# Allegro board ZC7020-PCB.brd (continued)
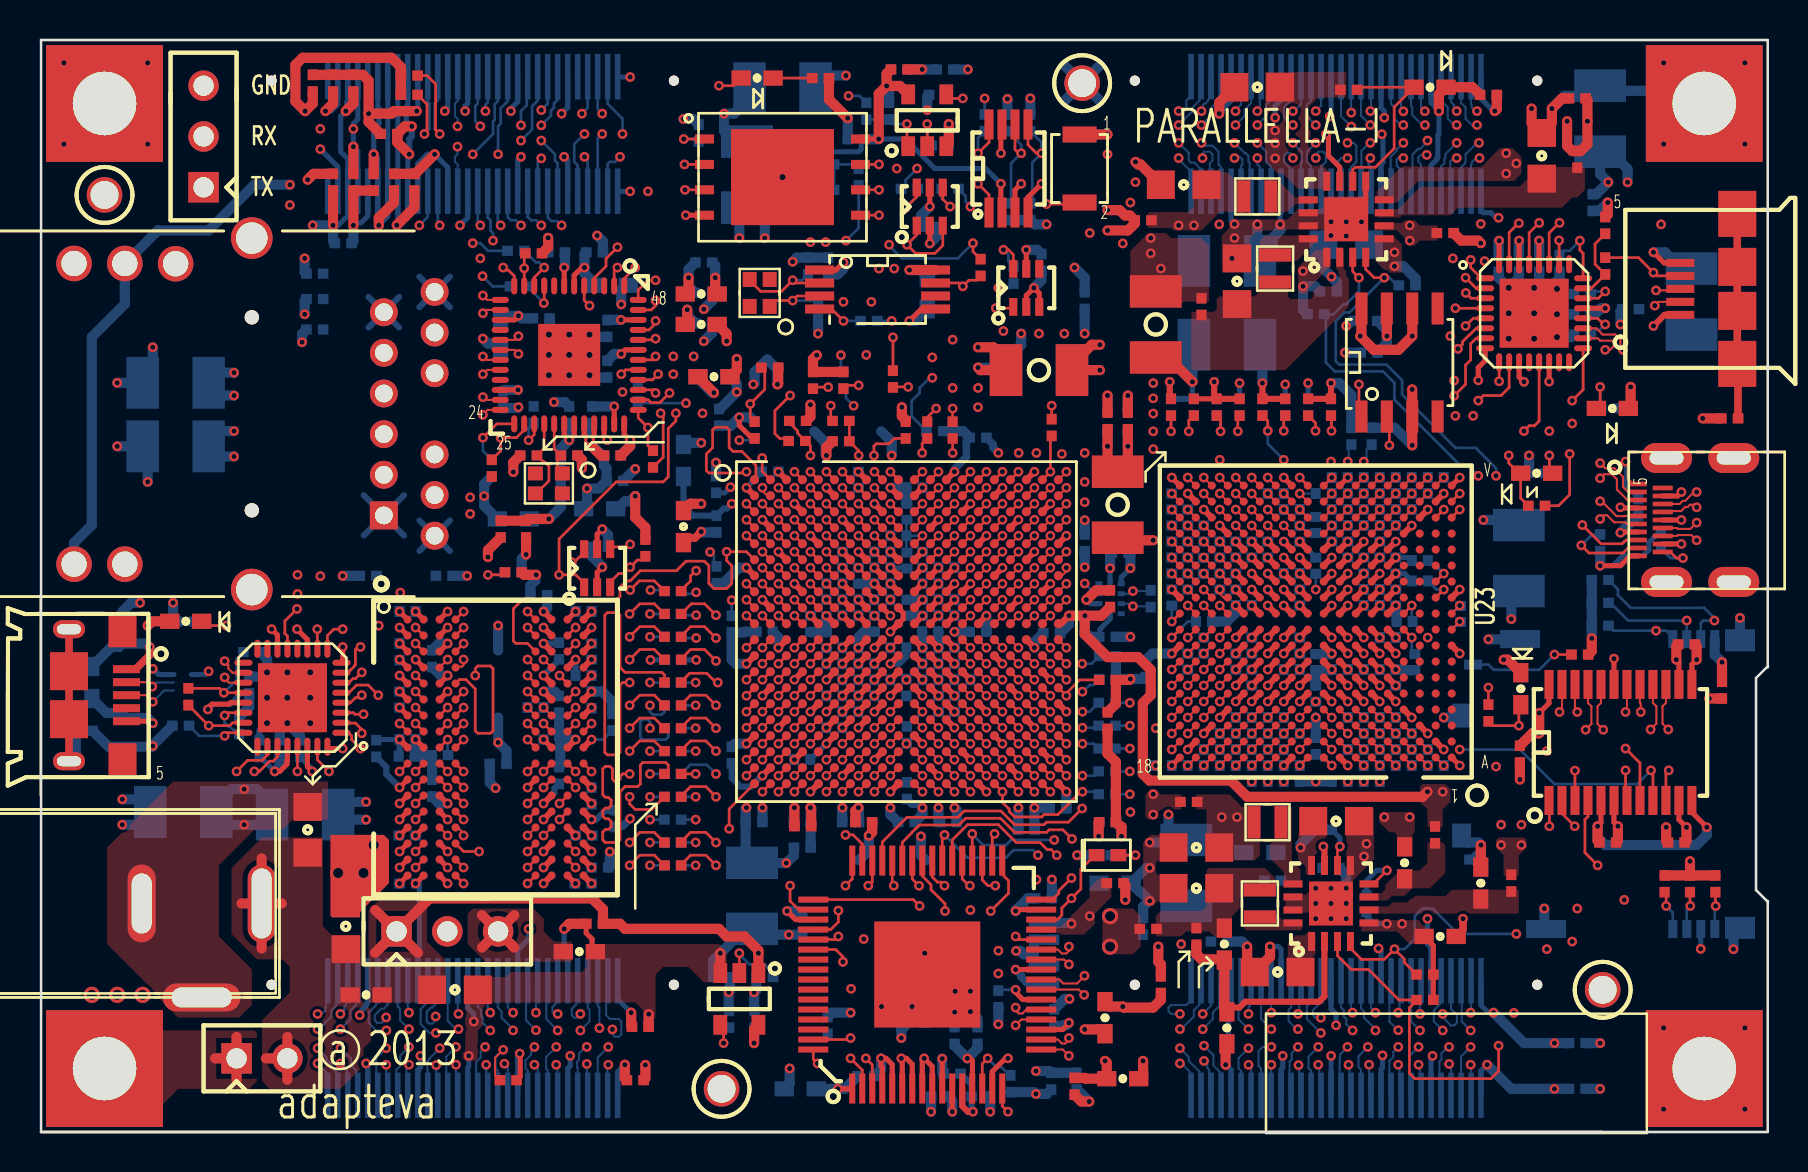
[diagram p0: board, top side]
## Routing (per net, layer and track width the routed paths; a pad name or vN(x,y) marks a point on that pad's centre or on a via; arc(x,y) is an arc through that point) (continued)
DDR3_WE_L: length 14.9
  TOP w0.133: U2.M5 v1(38.53,23.42) ; v1(33.81,14.48) 33.3,14.99 32.54,14.99 32.07,14.52 R322.1
  L3_SIG w0.108: v1(33.81,14.48) 33.81,15.42 33.95,15.56 34.47,15.56 34.6,15.69 34.6,19.29 35.13,19.82 35.5,19.82 35.73,20.05 35.73,20.38 35.97,20.62 36.3,20.62 36.54,20.86 36.54,21.98 36.78,22.22 37.1,22.22 37.34,22.46 37.34,22.78 37.57,23.02 38.19,23.02 38.53,23.36 v1(38.53,23.42)
DDR_A0: length 13.4
  TOP w0.133: U20.K4 v1(21.19,18.03)
  L3_SIG w0.108: v1(21.19,18.03) 23.68,18.03 24.07,18.42 25.49,18.42 25.71,18.21 25.71,17.32 25.83,17.2 26.22,17.2 26.34,17.32 26.34,18.3 26.47,18.42 27.75,18.42 27.85,18.33 29.51,18.33 29.9,18.72 29.9,18.97 30.03,19.1 30.46,19.1 v1(30.51,19.05)
  BOTTOM w0.133: R316.2 v1(30.51,19.05)
DDR_A1: length 25.8
  TOP w0.133: v1(29.49,22.48) 29.14,22.48 29.01,22.35 29.01,18.99 28.88,18.86 28.37,18.86 28.25,18.99 28.25,25.84 28.37,25.97 28.88,25.97 29.01,25.84 29.01,23.24 29.26,22.99 31.1,22.99 31.23,22.86 R315.2 ; U20.J9 v1(24.39,19.63)
  L3_SIG w0.108: v1(29.49,22.48) 29.14,22.48 29.09,22.43 27.32,22.43 27.19,22.3 27.19,21.84 26.98,21.63 26.33,21.63 25.96,21.26 25.96,20.18 25.81,20.02 24.51,20.02 24.39,19.9 v1(24.39,19.63)
DDR_A2: length 12.3
  TOP w0.133: v1(29.49,19.05) 30,19.56 30.72,19.56 R314.2 ; U20.K3 v1(20.39,18.03)
  L3_SIG w0.108: v1(29.49,19.05) 29.47,19.05 29.14,18.72 23.91,18.72 23.53,18.34 21.44,18.34 21.35,18.42 20.78,18.42 v1(20.39,18.03)
DDR_A3: length 16.4
  TOP w0.133: v1(29.49,21.34) 30,21.84 30.72,21.84 R313.2 ; U20.L4 v1(21.19,17.23)
  L5_SIG w0.108: v1(21.19,17.23) 21.64,16.77 21.64,16.31 21.92,16.03 27.84,16.03 28.63,16.81 28.63,17.32 28.88,17.58 28.88,21.21 29.01,21.34 v1(29.49,21.34)
DDR_A4: length 21.2
  TOP w0.133: U20.K9 v1(24.39,18.03)
  L3_SIG w0.108: v1(30.51,17.91) 30.51,17.49 31.93,16.07 31.93,14.4 31.8,14.27 31.42,14.27 31.3,14.4 31.3,15.75 30.97,16.07 28.85,16.07 28.82,16.03 22.02,16.03 21.71,16.35 21.71,17.26 22.04,17.59 23.69,17.59 24.13,18.03 v1(24.39,18.03)
  BOTTOM w0.133: R312.2 v1(30.51,17.91)
DDR_A5: length 19.4
  TOP w0.133: v1(29.49,20.19) 30,20.7 30.72,20.7 R311.2 ; U20.L3 v1(20.39,17.23)
  L3_SIG w0.108: v1(29.49,20.19) 28.76,20.19 28.63,20.07 28.63,19.62 28.76,19.49 29.9,19.49 30.03,19.62 30.03,20.38 29.77,20.64 28.37,20.64 28.25,20.51 28.25,19.35 27.87,18.97 27.87,18.96 27.85,18.94 23.48,18.94 23.26,18.72 21.39,18.72 21.33,18.66 20.25,18.66 19.99,18.4 19.99,18.2 19.99,18.19 19.99,17.62 v1(20.39,17.23)
DDR_A6: length 15.7
  TOP w0.133: U20.K10 25.59,18.43 v1(25.19,18.03)
  L3_SIG w0.108: v1(25.19,18.03) 24.95,18.03 24.55,17.63 24.23,17.63 23.99,17.39 23.99,17.38 23.55,16.94 23.09,16.94 22.95,16.8 22.32,16.8 22.21,16.69 22.21,16.54 22.32,16.43 23.8,16.43 24.19,16.82 26.5,16.82 26.61,16.72 26.61,16.43 26.72,16.32 26.94,16.32 27.04,16.43 27.04,16.72 27.15,16.82 27.87,16.82 27.99,16.7 27.99,16.51 28.12,16.38 28.44,16.38 28.56,16.51 28.56,16.89 28.69,17.02 28.95,17.02 29.07,16.89 29.07,16.51 29.22,16.37 29.66,16.37 30.03,16.74 30.54,16.74 v1(30.51,16.76)
  BOTTOM w0.133: R310.2 v1(30.51,16.76)
DDR_A7: length 24.6
  TOP w0.133: U20.L2 19.19,17.63 v1(18.79,17.23)
  L5_SIG w0.108: v1(18.79,17.23) 18.79,17.45 18.91,17.58 19.36,17.58 19.48,17.45 19.48,15.67 19.61,15.54 19.86,15.54 19.99,15.67 19.99,16.59 20.22,16.82 20.55,16.82 20.78,16.59 20.78,15.39 20.94,15.23 21.64,15.23 21.77,15.1 21.77,14.91 21.9,14.78 22.15,14.78 22.28,14.91 22.28,15.1 22.41,15.23 22.77,15.23 22.88,15.12 22.88,14.91 23.01,14.78 23.4,14.78 23.53,14.91 23.53,15.12 23.64,15.23 27.81,15.23 29.09,16.52 29.09,17.03 29.26,17.2 29.77,17.2 30.03,17.45 30.03,21.21 30.15,21.34 v1(30.51,21.34)
  BOTTOM w0.133: R309.2 31.23,21.01 31.1,20.88 30.63,20.88 30.51,21.01 v1(30.51,21.34)
DDR_A8: length 25.3
  TOP w0.254: U20.L9 v1(24.39,17.23)
  L5_SIG w0.108: v1(30.51,22.48) 30.55,22.48 30.79,22.72 30.79,22.91 30.66,23.04 30.28,23.04 30.12,22.88 29.1,22.88 27.85,21.63 26.47,21.63 26.34,21.5 26.34,20.96 26.47,20.83 27.1,20.83 27.19,20.75 27.19,20.11 27.1,20.02 26.47,20.02 26.34,19.9 26.34,19.35 26.47,19.23 27.61,19.23 27.74,19.1 27.74,18.85 27.61,18.72 26.47,18.72 26.34,18.59 26.34,18.47 26.22,18.34 25.71,18.34 25.58,18.21 25.58,17.86 25.58,17.86 25.58,17.7 25.71,17.58 26.22,17.58 26.34,17.45 26.34,16.95 26.22,16.82 24.07,16.82 23.68,16.43 22.15,16.43 22.02,16.56 22.02,17.7 22.15,17.83 23.42,17.83 23.55,17.7 23.55,17.35 23.68,17.23 v1(24.39,17.23)
  BOTTOM w0.133: R308.2 v1(30.51,22.48)
DDR_A9: length 25.5
  TOP w0.133: v1(29.49,23.62) 30,24.13 30.72,24.13 R307.2 ; v1(18.79,18.03) 19.19,18.43 U20.K2
  L5_SIG w0.108: v1(18.79,18.03) 18.35,18.47 16.82,18.47 16.69,18.59 16.69,20.12 16.82,20.24 17.33,20.24 17.45,20.12 17.45,19.35 17.71,19.1 22.73,19.1 22.75,19.08 23.08,19.08 23.09,19.1 25.45,19.1 25.83,19.48 25.83,22.15 25.58,22.4 25.58,23.9 25.71,24.03 29.08,24.03 v1(29.49,23.62)
DDR_A10: length 24.1
  TOP w0.133: v1(29.49,25.91) 30,26.42 30.72,26.42 R306.2 ; U20.H9 v1(24.39,20.43)
  L5_SIG w0.108: v1(24.39,20.43) 22.49,20.43 22.17,20.75 22.17,23.54 21.77,23.94 21.77,26.47 22.91,27.61 22.91,29.41 23.35,29.84 27.28,29.84 27.68,29.45 27.68,27.1 28.87,25.91 v1(29.49,25.91)
DDR_A11: length 25.1
  TOP w0.133: v1(25.19,17.23) 25.59,17.63 U20.L10
  L5_SIG w0.108: v1(30.51,24.77) 30.91,24.77 31.04,24.64 31.04,24.31 30.91,24.18 30.15,24.18 30.03,24.05 30.03,23.21 29.9,23.09 28.55,23.09 27.89,22.43 26.62,22.43 26.09,21.89 26.09,19.1 25.71,18.72 19.99,18.72 19.87,18.59 19.87,17.75 19.99,17.62 21.52,17.62 21.64,17.75 21.64,18.08 21.77,18.21 23.8,18.21 23.93,18.08 23.93,17.83 24.14,17.62 24.79,17.62 v1(25.19,17.23)
  BOTTOM w0.133: R305.2 v1(30.51,24.77)
DDR_A12: length 25.6
  TOP w0.133: v1(29.52,27.1) 29.98,27.56 30.72,27.56 30.99,27.29 30.99,27.29 R304.2 ; U20.K11 v1(26.79,18.03)
  L5_SIG w0.108: v1(29.52,27.1) 28.88,27.1 28.76,27.23 28.76,30.42 28.88,30.54 29.9,30.54 30.03,30.42 30.03,26.59 30.15,26.47 31.3,26.47 31.42,26.34 31.42,22.52 31.3,22.39 31.29,22.39 30.87,21.98 28.58,21.98 28.12,21.51 28.12,18.59 27.99,18.47 26.91,18.47 26.79,18.34 v1(26.79,18.03)
DDR_A13: length 23.6
  TOP w0.133: U20.L11 v1(26.79,17.23)
  L5_SIG w0.108: v1(30.53,27.1) 30.53,30.48 30.66,30.61 31.68,30.61 31.8,30.48 31.8,21.89 31.68,21.77 29.01,21.77 28.5,21.26 28.5,17.75 28.37,17.62 27.18,17.62 v1(26.79,17.23)
  BOTTOM w0.133: v1(30.53,27.1) 31.18,27.1 R303.2
DDR_A14: length 24.9
  TOP w0.133: v1(25.19,20.43) 25.59,20.03 U20.H10
  L5_SIG w0.108: v1(25.19,20.43) 24.78,20.83 23.09,20.83 22.78,21.14 22.78,24.39 22.41,24.77 22.41,26.34 23.29,27.23 23.29,29.01 23.75,29.46 26.73,29.46 27.17,29.02 27.17,27.1 27.99,26.28 27.99,25.32 28.12,25.2 30.91,25.2 31.04,25.32 31.04,25.78 30.91,25.91 v1(30.51,25.91)
  BOTTOM w0.133: R302.2 v1(30.51,25.91)
DDR_BA0: length 18.9
  TOP w0.133: R319.2 30.6,16.13 29.77,16.13 29.49,16.41 v1(29.49,16.76) ; U20.K1 v1(17.99,18.03)
  L5_SIG w0.108: v1(29.49,16.76) 29.49,16.28 29.01,15.8 29.01,15.29 28.14,14.42 22.13,14.42 22.12,14.43 19.84,14.43 19.04,15.23 18.51,15.23 18.38,15.36 18.38,17.63 v1(17.99,18.03)
DDR_BA1: length 14.8
  TOP w0.133: U20.K12 v1(27.59,18.03)
  L3_SIG w0.108: v1(30.51,15.62) 30.79,15.62 30.91,15.49 30.91,13.51 31.04,13.39 32.18,13.39 32.31,13.51 32.31,16.13 30.98,17.46 30.98,18.28 30.91,18.34 30.28,18.34 30.11,18.17 30.11,17.66 29.96,17.51 28.07,17.51 27.59,18 v1(27.59,18.03)
  BOTTOM w0.133: R318.2 v1(30.51,15.62)
DDR_BA2: length 24.9
  TOP w0.133: U20.H2 19.19,20.03 v1(18.79,20.43) ; R317.2 30.72,25.27 30,25.27 v1(29.49,24.77)
  L5_SIG w0.108: v1(29.49,24.77) 27.81,24.77 27.74,24.83 27.42,24.83 27.19,25.06 27.19,26.36 27.08,26.47 23.8,26.47 23.68,26.34 23.68,21.75 23.8,21.63 25.35,21.63 25.58,21.39 25.58,20.26 25.35,20.02 19.19,20.02 v1(18.79,20.43)
DDR_CAS_L: length 20.5
  TOP w0.133: U20.G3 v1(20.39,21.23)
  L3_SIG w0.108: v1(20.39,21.23) 19.93,20.77 19.93,19.68 19.2,18.95 19.2,14.51 20.08,13.63 27.99,13.63 28.11,13.51 28.89,13.51 29.14,13.76 30.08,13.76 v1(30.51,13.34)
  BOTTOM w0.133: R323.2 v1(30.51,13.34)
DDR_CKE: length 24.4
  TOP w0.133: v1(29.49,17.91) 29.14,17.91 29.01,17.78 29.01,17.65 28.88,17.53 28.76,17.53 28.63,17.65 28.63,18.16 28.5,18.29 28.27,18.29 28.15,18.16 28.15,16.87 28.28,16.73 28.43,16.73 28.56,16.6 28.56,16.33 28.43,16.2 28.28,16.2 28.15,16.07 28.15,15.8 28.28,15.67 28.43,15.67 28.56,15.53 28.56,15.27 28.43,15.13 28.28,15.13 28.15,15 28.15,14.61 28.27,14.48 28.31,14.48 28.31,14.48 28.69,14.48 28.7,14.48 28.88,14.48 29.01,14.61 29.01,17.02 29.26,17.27 29.9,17.27 30.03,17.4 30.03,18.35 30.15,18.48 31.3,18.48 31.42,18.35 31.42,18.03 31.3,17.91 R325.2 ; U20.G11 v1(26.79,21.23)
  L3_SIG w0.108: v1(26.79,21.23) 27.07,21.23 27.19,21.34 27.19,21.39 27.42,21.63 28.25,21.63 28.31,21.56 28.31,21.4 28.44,21.27 28.88,21.27 29.01,21.4 29.01,21.63 29.36,21.97 29.64,21.97 30.03,21.59 30.03,21.08 30.28,20.83 30.6,20.83 30.91,20.51 30.91,18.84 30.72,18.65 30.21,18.65 29.9,18.34 29.9,18.31 v1(29.49,17.91)
DDR_CLK_N: length 82.5
  TOP w0.102: U2.M2 v1(36.13,23.42) ; v1(25.19,21.23) U20.G10
  L3_SIG w0.095: v1(25.19,21.23) 25.2,21.21 25.2,21.13 25.32,21.01 25.49,21.01 25.62,21.13 25.62,21.48 26.27,22.13 26.27,22.13 26.71,22.57 26.71,23.08 26.27,23.52 26.06,23.52 25.9,23.69 25.9,23.81 26.34,24.26 26.34,24.69 25.9,25.13 25.9,25.34 26.34,25.78 26.34,26.21 25.9,26.66 25.9,26.99 25.96,27.05 26.14,27.05 27.42,28.33 27.42,28.7 27.56,28.84 28.88,28.84 29.09,28.64 29.77,28.64 30.09,28.96 30.34,28.96 30.65,29.26 30.65,29.46 30.72,29.53 31.11,29.53 31.18,29.46 31.18,29.27 31.5,28.96 32.58,28.96 33.59,27.94 34.15,27.94 34.28,27.81 34.28,27.3 33.91,26.94 33.91,26.89 33.9,26.88 33.9,26.72 33.79,26.61 33.62,26.61 33.51,26.72 33.51,27.36 33.19,27.68 32.66,27.68 32.43,27.91 32.43,28.2 32.13,28.5 30.26,28.5 29.97,28.21 29.97,27.8 30.26,27.51 31.35,27.51 31.88,26.97 31.88,26.04 31.75,25.91 31.54,25.91 31.41,26.04 31.41,26.35 31.09,26.67 29.12,26.67 29.06,26.73 29.06,27.23 29.27,27.44 29.27,27.85 28.99,28.14 28.58,28.14 28.28,27.84 27.59,27.84 26.98,27.23 26.98,26.75 27.25,26.48 28.01,26.48 28.07,26.42 28.07,24.77 28.37,24.46 28.8,24.46 29.1,24.77 29.1,25.06 29.2,25.16 30.85,25.16 30.93,25.08 30.93,24.89 31.23,24.59 32.12,24.59 32.43,24.89 32.43,25.02 32.55,25.15 34.34,25.15 34.54,25.35 34.79,25.35 34.93,25.21 34.93,24.95 34.6,24.62 34.6,24.44 34.46,24.31 29.79,24.31 29.78,24.32 29.2,24.32 29.19,24.31 29.14,24.31 28.95,24.12 28.31,24.12 28.07,23.87 28.07,23.12 28.31,22.87 31.17,22.87 31.41,23.11 31.41,23.24 31.54,23.37 32,23.37 32.12,23.24 32.12,23.11 32.36,22.87 33.07,22.87 33.2,22.75 33.2,22.21 33.07,22.09 32.38,22.09 32.31,22.02 32.18,22.02 32.11,22.1 32.11,22.29 31.86,22.53 31.24,22.53 30.93,22.22 30.93,21.15 31.31,20.77 31.31,17.65 31.61,17.35 32.07,17.35 32.37,17.65 32.37,20.51 32.5,20.64 34.1,20.64 34.51,21.05 34.51,22.07 34.66,22.23 34.66,22.9 34.79,23.03 35.5,23.03 35.72,23.26 35.72,23.63 35.9,23.8 36.02,23.8 36.13,23.69 v1(36.13,23.42)
DDR_CLK_P: length 82.5
  TOP w0.102: v1(24.39,21.23) U20.G9 ; U2.L2 v1(36.13,24.22)
  L3_SIG w0.095: v1(36.13,24.22) 36.02,24.22 35.91,24.1 35.77,24.1 35.48,23.81 35.06,23.81 34.83,23.58 34.83,23.5 34.36,23.03 34.36,22.35 34.2,22.2 34.2,21.17 33.97,20.95 32.38,20.95 32.07,20.64 32.07,17.78 31.94,17.65 31.74,17.65 31.61,17.78 31.61,20.89 31.23,21.27 31.23,22.1 31.36,22.23 31.74,22.23 31.8,22.16 31.8,21.97 32.06,21.72 32.44,21.72 32.5,21.78 33.2,21.78 33.5,22.09 33.5,22.87 33.2,23.18 32.49,23.18 32.43,23.24 32.43,23.37 32.12,23.67 31.41,23.67 31.1,23.37 31.1,23.24 31.04,23.18 28.44,23.18 28.37,23.25 28.37,23.74 28.44,23.81 29.07,23.81 29.26,24 29.32,24 29.33,24.01 29.65,24.01 29.66,24 34.59,24 34.9,24.32 34.9,24.5 35.23,24.83 35.23,25.34 34.91,25.65 34.41,25.65 34.21,25.45 32.66,25.45 32.65,25.46 32.44,25.46 32.12,25.15 32.12,25.02 31.99,24.89 31.36,24.89 31.23,25.02 31.23,25.21 30.98,25.46 29.07,25.46 28.8,25.19 28.8,24.89 28.67,24.77 28.5,24.77 28.37,24.89 28.37,26.54 28.13,26.78 27.38,26.78 27.28,26.88 27.28,27.1 27.71,27.53 28.4,27.53 28.71,27.84 28.86,27.84 28.97,27.73 28.97,27.57 28.76,27.36 28.76,26.61 29,26.37 30.96,26.37 31.1,26.23 31.1,25.91 31.41,25.6 31.88,25.6 32.18,25.91 32.18,27.1 31.47,27.81 30.39,27.81 30.28,27.92 30.28,28.08 30.39,28.19 32.01,28.19 32.12,28.08 32.12,27.79 32.53,27.38 33.06,27.38 33.21,27.23 33.21,26.59 33.5,26.3 33.92,26.3 34.21,26.59 34.21,26.76 34.22,26.77 34.22,26.81 34.58,27.18 34.58,27.94 34.28,28.24 33.72,28.24 32.7,29.26 31.63,29.26 31.49,29.4 31.49,29.59 31.24,29.84 30.59,29.84 30.34,29.59 30.34,29.39 30.22,29.26 29.96,29.26 29.64,28.94 29.22,28.94 29.01,29.15 27.43,29.15 27.12,28.83 27.12,28.46 26.01,27.36 25.83,27.36 25.59,27.11 25.59,26.53 26.04,26.09 26.04,25.91 25.59,25.46 25.59,25.01 26.04,24.56 26.04,24.38 25.59,23.94 25.59,23.56 25.93,23.22 26.15,23.22 26.41,22.96 26.41,22.7 26.15,22.44 25.35,21.64 24.81,21.64 24.41,21.23 v1(24.39,21.23)
DDR_CS_L: length 25.7
  TOP w0.133: U20.H4 v1(21.19,20.43)
  L3_SIG w0.108: v1(30.51,20.19) 30.34,20.36 30.34,20.45 29.85,20.94 28.06,20.94 27.94,20.82 26.54,20.82 26.34,20.62 26.34,19.35 26.22,19.23 23.36,19.23 23.17,19.04 22.34,19.04 22.06,19.32 22.06,19.89 22.28,20.12 23.8,20.12 23.93,20.24 23.93,20.5 23.8,20.62 22.21,20.62 22.09,20.75 22.09,21.01 22.21,21.13 23.8,21.13 23.93,21.26 23.93,21.51 23.8,21.64 22.01,21.64 21.64,21.27 21.64,20.55 21.52,20.43 v1(21.19,20.43)
  BOTTOM w0.133: v1(30.51,20.19) 30.51,20.51 30.38,20.64 30.15,20.64 30.03,20.51 30.03,19.75 30.15,19.62 31.3,19.62 31.42,19.75 31.42,20.07 31.3,20.19 R321.2
DDR_DM0: length 31.9
  TOP w0.133: U20.C4 v1(21.19,24.43) ; U2.A1 35.8,32.69 35.8,33.34 35.11,34.04 34.66,34.04 34.47,34.23 34.47,35.12 34.34,35.24 33.77,35.24 33.64,35.12 33.64,34.23 33.33,33.91 33.33,33.08 33.45,32.96 35.27,32.96 v1(35.33,33.02)
  L3_SIG w0.108: v1(21.19,24.43) 21.58,24.83 21.58,26.19 21.52,26.26 21.52,27.23 21.77,27.48 21.77,28.69 22.28,29.2 22.47,29.2 26.1,32.83 26.53,32.83 26.66,32.96 26.66,33.4 26.79,33.53 26.87,33.53 26.94,33.59 27.11,33.59 27.29,33.78 28.5,33.78 29.06,33.22 29.21,33.22 29.33,33.34 29.33,33.46 29.45,33.59 30.15,33.59 30.28,33.46 30.28,33.15 30.41,33.02 30.66,33.02 30.79,33.15 30.79,33.78 30.91,33.91 32.37,33.91 32.57,33.72 33.39,33.72 33.64,33.97 33.96,33.97 34.57,33.37 34.57,33.18 34.72,33.02 v1(35.33,33.02)
DDR_DM1: length 19.6
  TOP w0.133: U2.F1 35.33,29.02 v1(34.34,29.02) 34.34,28.57 34.6,28.32 34.6,27.43 34.34,27.18 33.71,27.18 33.45,27.43 33.45,28.32 33.23,28.55 32.31,28.55 31.83,28.07 30.03,28.07 29.52,27.56 29.33,27.56 29.01,27.25 29.01,26.78 28.81,26.58 24.09,26.58 23.68,26.17 23.68,24.56 23.8,24.43 24.38,24.43 U20.C9
DDR_DM2: length 21.9
  TOP w0.133: U20.R9 v1(24.39,14.03) ; U2.T1 v1(35.33,20.22)
  L10_SIG w0.108: v1(35.33,20.22) 34.57,20.22 33.96,19.61 32.74,19.61 32.18,19.05 31.17,19.05 30.77,19.45 29.15,19.45 28.25,18.54 28.25,16.38 27.89,16.02 27.42,16.02 26.98,15.58 26.51,15.58 26.15,15.23 24.07,15.23 23.8,15.49 23.8,16 23.17,16.64 22.66,16.64 22.41,16.38 22.41,16 24.38,14.03 v1(24.39,14.03)
DDR_DM3: length 30.1
  TOP w0.133: U2.Y1 34.47,16.15 v1(34.47,15.16) ; U20.R4 21.19,14.03 v1(21.96,14.03)
  L8_SIG w0.108: v1(21.96,14.03) 22.28,14.03 22.41,13.9 22.41,13.59 22.53,13.46 22.79,13.46 22.91,13.59 22.91,13.97 23.04,14.1 23.29,14.1 23.42,13.97 23.42,13.34 23.55,13.21 23.8,13.21 23.93,13.34 23.93,13.46 24.1,13.63 24.56,13.63 24.56,13.61 24.79,13.39 24.79,12.98 24.95,12.83 25.45,12.83 25.71,12.57 25.83,12.57 26.02,12.75 26.02,12.9 25.83,13.08 25.83,13.46 25.58,13.71 25.58,13.97 25.71,14.1 26.22,14.1 26.34,13.97 26.34,13.08 26.6,12.83 27.06,12.83 27.19,12.95 27.19,13.46 27.36,13.63 27.85,13.63 28.1,13.89 28.1,14.26 28.76,14.91 30.79,14.91 30.91,14.78 30.91,14.48 31.04,14.35 31.3,14.35 31.42,14.48 31.42,14.75 31.53,14.86 31.69,14.86 31.8,14.75 31.8,14.48 31.93,14.35 32.18,14.35 32.31,14.48 32.31,14.78 32.44,14.91 33.12,14.91 33.58,15.37 33.84,15.37 33.95,15.25 33.95,15.1 33.84,14.99 33.71,14.99 33.33,14.61 33.33,14.35 33.07,14.1 33.07,13.72 33.2,13.59 33.44,13.59 33.58,13.73 34.23,13.73 34.47,13.97 34.47,14.1 34.6,14.22 34.74,14.22 34.85,14.34 34.85,14.49 34.74,14.61 34.6,14.61 34.47,14.73 v1(34.47,15.16)
DDR_DQ0: length 31.9
  TOP w0.133: U2.C3 v1(36.93,31.42) ; U20.B2 v1(18.79,25.23)
  L3_SIG w0.108: v1(36.93,31.42) 37.33,31.82 37.33,32.38 37.57,32.62 37.89,32.62 38.13,32.86 38.13,33.26 37.65,33.74 37.65,34.29 36.64,35.29 34.79,35.29 34.6,35.48 30.91,35.48 30.66,35.74 26.39,35.74 24.12,33.46 24.12,32.75 20.2,28.83 19.55,28.83 18.53,27.81 18.53,26.54 18.38,26.39 18.38,24.98 18.47,24.89 18.66,24.89 18.79,25.02 v1(18.79,25.23)
DDR_DQ1: length 31.4
  TOP w0.133: U2.B3 v1(36.93,32.22) ; U20.A4 v1(21.19,26.03)
  L3_SIG w0.108: v1(36.93,32.22) 36.73,32.43 36.73,32.6 36.26,33.07 35.85,33.07 35.39,33.53 34.98,33.53 33.96,34.54 33.71,34.54 33.47,34.31 33.47,34.3 33.24,34.07 33.23,34.07 33.2,34.04 32.82,34.04 32.67,34.19 32.67,34.44 32.57,34.54 32.44,34.54 32.06,34.16 31.87,34.16 31.49,34.54 31.36,34.54 31.1,34.29 30.72,34.29 30.34,33.91 30.09,33.91 29.83,34.16 29.58,34.16 29.33,33.91 29.07,33.91 28.82,34.16 27.23,34.16 26.91,33.85 26.02,33.85 25.96,33.78 25.96,33.59 26.09,33.46 26.09,33.27 25.97,33.16 25.82,33.16 25.71,33.27 25.45,33.27 25.39,33.21 25.39,32.63 20.51,27.75 19.99,27.75 19.74,27.5 19.74,27.18 19.87,27.05 20.25,27.05 20.37,26.92 20.37,26.67 20.25,26.54 20.06,26.54 19.93,26.42 19.93,25.76 20.06,25.63 20.58,25.63 20.78,25.84 20.78,26.19 20.71,26.27 20.71,27.3 20.83,27.43 21.06,27.43 21.19,27.3 v1(21.19,26.03)
DDR_DQ2: length 31.7
  TOP w0.133: U2.A2 36.12,33.03 v1(36.12,33.71) ; U20.C2 v1(18.79,24.43)
  L3_SIG w0.108: v1(36.12,33.71) 36.35,33.71 36.63,33.99 36.63,34.8 36.44,34.99 34.59,34.99 34.41,35.18 31.01,35.18 30.66,34.83 30.24,34.83 30.01,35.07 30.01,35.07 29.71,35.37 26.48,35.37 24.63,33.52 24.63,32.75 20.38,28.51 19.8,28.51 18.85,27.56 18.85,26.61 18.98,26.48 19.17,26.48 19.29,26.35 19.29,24.45 19.42,24.32 19.8,24.32 19.93,24.19 19.93,23.69 19.8,23.56 19.29,23.56 19.18,23.67 19.18,23.79 19.17,23.81 19.17,24.07 18.8,24.43 v1(18.79,24.43)
DDR_DQ3: length 31.5
  TOP w0.133: U20.B4 v1(21.19,25.23) ; U2.A4 v1(37.73,33.02)
  L3_SIG w0.108: v1(37.73,33.02) 37.73,33.25 37.57,33.42 36.77,33.42 36.66,33.31 35.96,33.31 35.61,33.65 35.61,33.91 35.87,34.16 36.12,34.16 36.25,34.29 36.25,34.67 36.18,34.74 35.81,34.74 35.23,34.16 34.85,34.16 34.82,34.2 34.81,34.2 34.58,34.43 34.58,34.43 34.15,34.86 33.24,34.86 33.24,34.86 32.91,34.86 32.91,34.86 31.17,34.86 30.87,34.56 30.11,34.56 29.68,34.99 27.32,34.99 27.32,34.99 27.28,34.99 27.04,34.75 27.04,34.42 26.82,34.2 25.81,34.2 25.01,33.4 25.01,32.7 20.44,28.13 19.87,28.13 19.23,27.5 19.23,26.92 19.36,26.8 19.48,26.8 19.61,26.67 19.61,24.96 19.74,24.83 21.06,24.83 21.19,24.96 v1(21.19,25.23)
DDR_DQ4: length 31.7
  TOP w0.133: U20.E2 v1(18.79,22.83) ; U2.D3 v1(36.93,30.62)
  L3_SIG w0.108: v1(36.93,30.62) 36.53,30.22 35.23,30.22 35.23,30.22 35.17,30.22 34.92,30.47 34.15,30.47 33.9,30.72 32.5,30.72 32.35,30.57 29.75,30.57 29.58,30.4 28.95,30.4 28.29,29.75 27.96,29.75 27.62,30.09 26.41,30.09 24.42,28.1 24.42,27.34 23.55,26.47 23.55,22.8 23.18,22.43 20.96,22.43 20.78,22.25 20.78,21.86 20.54,21.63 20.03,21.63 19.55,21.15 19.55,20.45 19.13,20.03 18.47,20.03 18.38,20.12 18.38,21.55 18.47,21.63 19.04,21.63 19.18,21.77 19.18,22.7 19.06,22.83 v1(18.79,22.83)
DDR_DQ5: length 31.6
  TOP w0.133: v1(21.77,22.83) 21.77,23.18 21.9,23.3 22.53,23.3 22.66,23.18 22.66,20.07 22.53,19.94 21.9,19.94 21.77,20.07 21.77,22.16 21.3,22.63 20.99,22.63 U20.E4 ; U2.D1 v1(35.33,30.62)
  L3_SIG w0.108: v1(35.33,30.62) 35.69,30.62 35.74,30.67 35.74,30.92 35.64,31.02 35.08,31.02 34.77,30.72 34.28,30.72 33.76,31.24 33.5,31.24 33.23,30.98 32.96,30.98 32.63,31.31 32.29,31.31 32.18,31.2 32.18,31.05 32.06,30.92 29.59,30.92 29.39,30.72 26.6,30.72 25.15,29.28 24.15,29.28 23.91,29.04 23.91,28.59 24.06,28.45 24.06,27.56 23.17,26.67 23.17,25.63 23.31,25.49 23.31,25.16 23.17,25.02 23.17,23.02 22.98,22.83 v1(21.77,22.83)
DDR_DQ6: length 31.9
  TOP w0.133: v1(18.79,22.03) 19.19,21.63 U20.F2 ; U2.C1 v1(35.33,31.42)
  L3_SIG w0.108: v1(18.79,22.03) 18.39,22.43 16.63,22.43 16.5,22.55 16.5,24.26 16.63,24.38 17.07,24.38 17.2,24.26 17.2,23.35 17.33,23.23 21.96,23.23 22.66,23.93 22.66,25.02 22.52,25.16 22.52,25.49 22.66,25.63 22.66,26.59 23.61,27.55 23.61,29.08 24.13,29.6 25.02,29.6 26.47,31.05 29.26,31.05 29.44,31.23 31.78,31.23 32.37,31.82 33.33,31.82 33.52,31.62 33.83,31.62 34.43,31.02 34.44,31.02 34.48,30.98 34.71,30.98 34.76,31.02 34.76,31.02 34.99,31.26 34.99,31.26 35.06,31.32 35.24,31.32 v1(35.33,31.42)
DDR_DQ7: length 31.5
  TOP w0.133: U20.F4 v1(21.19,22.03) ; U2.E1 v1(35.33,29.82)
  L3_SIG w0.108: v1(35.33,29.82) 35.14,30.01 35.08,30.01 34.88,30.21 34.03,30.21 33.82,30.42 32.69,30.42 32.57,30.29 32.57,29.72 32.44,29.59 32.06,29.59 31.93,29.72 31.93,30.16 31.8,30.29 30.33,30.29 30.2,30.16 30.2,29.97 30.08,29.84 29.63,29.84 29.33,30.15 29.12,30.15 28.95,29.97 28.95,29.65 28.82,29.53 27.66,29.53 27.49,29.71 27.15,29.71 27.04,29.59 27.04,29.21 26.91,29.08 26.72,29.08 26.6,29.21 26.6,29.4 26.5,29.5 26.31,29.5 25.9,29.08 25.9,28.89 26.13,28.66 26.13,28.49 25.92,28.28 25.74,28.28 25.48,28.54 25.36,28.54 25.22,28.4 25.22,28.18 25.52,27.88 25.52,27.69 25.22,27.38 25.22,27.11 25.09,26.99 24.54,26.99 24.31,26.76 24.31,26.61 24.42,26.5 24.61,26.5 24.78,26.32 24.78,25.72 24.69,25.63 24.06,25.63 23.93,25.5 23.93,24.77 24.06,24.64 24.66,24.64 24.79,24.51 24.79,24.26 24.66,24.13 24.06,24.13 23.93,24 23.93,23.36 24.06,23.23 25.47,23.23 25.58,23.11 25.58,22.55 25.46,22.43 24.13,22.43 23.73,22.03 21.83,22.03 21.52,21.72 21.31,21.72 21.19,21.84 v1(21.19,22.03)
DDR_DQ8: length 19.8
  TOP w0.133: U20.B11 v1(26.79,25.23) ; U2.E2 v1(36.13,29.82)
  L8_SIG w0.108: v1(26.79,25.23) 25.96,25.23 25.83,25.36 25.83,25.5 25.96,25.63 28.25,25.63 28.37,25.76 28.37,26.42 28.25,26.54 27.36,26.54 27.23,26.67 27.23,26.92 27.36,27.05 28.88,27.05 29.01,26.92 29.01,26.67 29.34,26.34 30.91,26.34 31.04,26.47 31.04,28.7 32.82,30.48 34.66,30.48 34.93,30.22 35.5,30.22 35.74,29.97 35.98,29.97 v1(36.13,29.82)
DDR_DQ9: length 19.5
  TOP w0.133: U20.A9 v1(24.39,26.03) ; U2.E3 v1(36.93,29.82)
  L8_SIG w0.108: v1(36.93,29.82) 36.77,29.98 36.77,30.22 36.53,30.46 36.53,30.78 36.29,31.02 35.97,31.02 35.73,31.26 35.73,31.58 35.5,31.82 32.5,31.82 30.09,29.4 30.09,28.24 29.69,27.85 27.14,27.85 26.33,27.04 24.06,27.04 23.93,26.91 23.93,26.16 24.06,26.03 v1(24.39,26.03)
DDR_DQ10: length 19.9
  TOP w0.133: U2.G3 v1(36.93,28.22) ; U20.C11 v1(26.79,24.43)
  L8_SIG w0.108: v1(36.93,28.22) 36.66,28.22 36.54,28.35 36.54,29.18 36.3,29.42 35.03,29.42 34.85,29.59 33.55,29.59 33.42,29.46 32.44,29.46 31.55,28.57 31.55,24.77 31.42,24.64 31.17,24.64 31.04,24.77 31.04,25.07 30.91,25.2 28.5,25.2 28.14,24.83 25.7,24.83 25.58,24.71 25.58,24.55 25.7,24.43 v1(26.79,24.43)
DDR_DQ11: length 19.8
  TOP w0.133: U2.H3 v1(36.93,27.42) ; U20.B9 v1(24.39,25.23)
  L8_SIG w0.108: v1(36.93,27.42) 37.33,27.82 37.33,29.27 37.26,29.34 37.26,29.34 37.18,29.42 36.77,29.42 36.54,29.66 36.54,29.98 36.3,30.22 35.97,30.22 35.73,30.46 35.73,30.78 35.5,31.02 32.85,31.02 30.6,28.77 30.6,28.38 29.76,27.55 27.35,27.55 25.43,25.63 24.79,25.63 v1(24.39,25.23)
DDR_DQ12: length 19.8
  TOP w0.133: U2.J3 v1(36.93,26.62) ; U20.E11 v1(25.99,22.83)
  L8_SIG w0.108: v1(36.93,26.62) 36.53,27.02 36.53,27.58 36.3,27.82 34.09,27.82 33.22,26.94 33.22,23.05 33.07,22.91 32.44,22.91 32.31,22.78 32.31,22.35 32.18,22.23 31.93,22.23 31.8,22.35 31.8,22.78 31.68,22.91 29.14,22.91 29.01,22.78 29.01,22.48 28.88,22.35 28.63,22.35 28.5,22.48 28.5,22.86 28.37,22.99 28.12,22.99 27.99,22.86 27.99,22.56 27.87,22.43 26.38,22.43 v1(25.99,22.83)
DDR_DQ13: length 19.7
  TOP w0.133: U2.H2 v1(36.13,27.42) ; U20.E9 v1(24.39,22.83)
  L8_SIG w0.108: v1(36.13,27.42) 35.73,27.02 34.46,27.02 34.2,26.76 34.2,26.43 34.43,26.2 34.44,26.2 34.6,26.04 34.6,22.61 34.03,22.03 33.45,22.03 33.15,21.73 32.58,21.73 31.79,20.94 29.33,20.94 29.31,20.95 28.88,20.95 28.76,20.83 26.59,20.83 25.58,21.84 25.58,22.22 25.38,22.43 24.79,22.43 v1(24.39,22.83)
DDR_DQ14: length 19.6
  TOP w0.133: U20.F11 v1(26.79,22.03) ; U2.H1 v1(35.33,27.42)
  L8_SIG w0.108: v1(26.79,22.03) 26.22,22.03 26.09,21.9 26.09,21.75 26.22,21.63 27.99,21.63 28.12,21.5 28.12,21.34 28.25,21.21 28.5,21.21 28.63,21.34 28.63,21.84 28.76,21.97 29.26,21.97 29.39,21.84 29.41,21.84 29.52,21.73 29.79,21.73 30.03,21.97 30.3,21.97 30.53,21.73 30.79,21.73 30.91,21.86 30.91,22.35 31.04,22.48 31.3,22.48 31.42,22.35 31.42,21.84 31.53,21.73 32.18,21.73 32.49,22.03 33.01,22.03 33.33,22.35 33.33,22.65 33.67,22.99 34.09,22.99 34.34,23.24 34.34,23.75 34.09,24 34.09,24.26 34.34,24.51 34.34,24.89 34.09,25.15 34.09,25.4 34.34,25.65 34.34,25.91 33.84,26.42 33.84,27.05 34.2,27.42 v1(35.33,27.42)
DDR_DQ15: length 19.5
  TOP w0.133: U20.F9 v1(24.39,22.03) ; U2.J1 v1(35.33,26.62)
  L8_SIG w0.108: v1(35.33,26.62) 35.33,26.39 34.94,25.99 34.94,22.06 34.66,21.78 33.64,21.78 33.33,21.46 33.33,20.83 33.09,20.59 31.77,20.59 31.66,20.48 31.66,20.24 31.55,20.13 31.33,20.13 31.23,20.24 31.23,20.48 31.12,20.59 28.81,20.59 28.25,20.03 26.25,20.03 25.45,20.83 25.02,20.83 24.97,20.88 24.95,20.88 24.78,21.04 24.78,21.63 v1(24.39,22.03)
